# Altium PCB Robo.PcbDoc
Units mm, origin at the board's own origin, x right, y up, seen from the top; angles counter-clockwise.
Board outline 133.02 x 165.52 mm, 2 copper layers (Top Layer, Bottom Layer); 47 components, 80 nets, 284 pads, 48 vias.
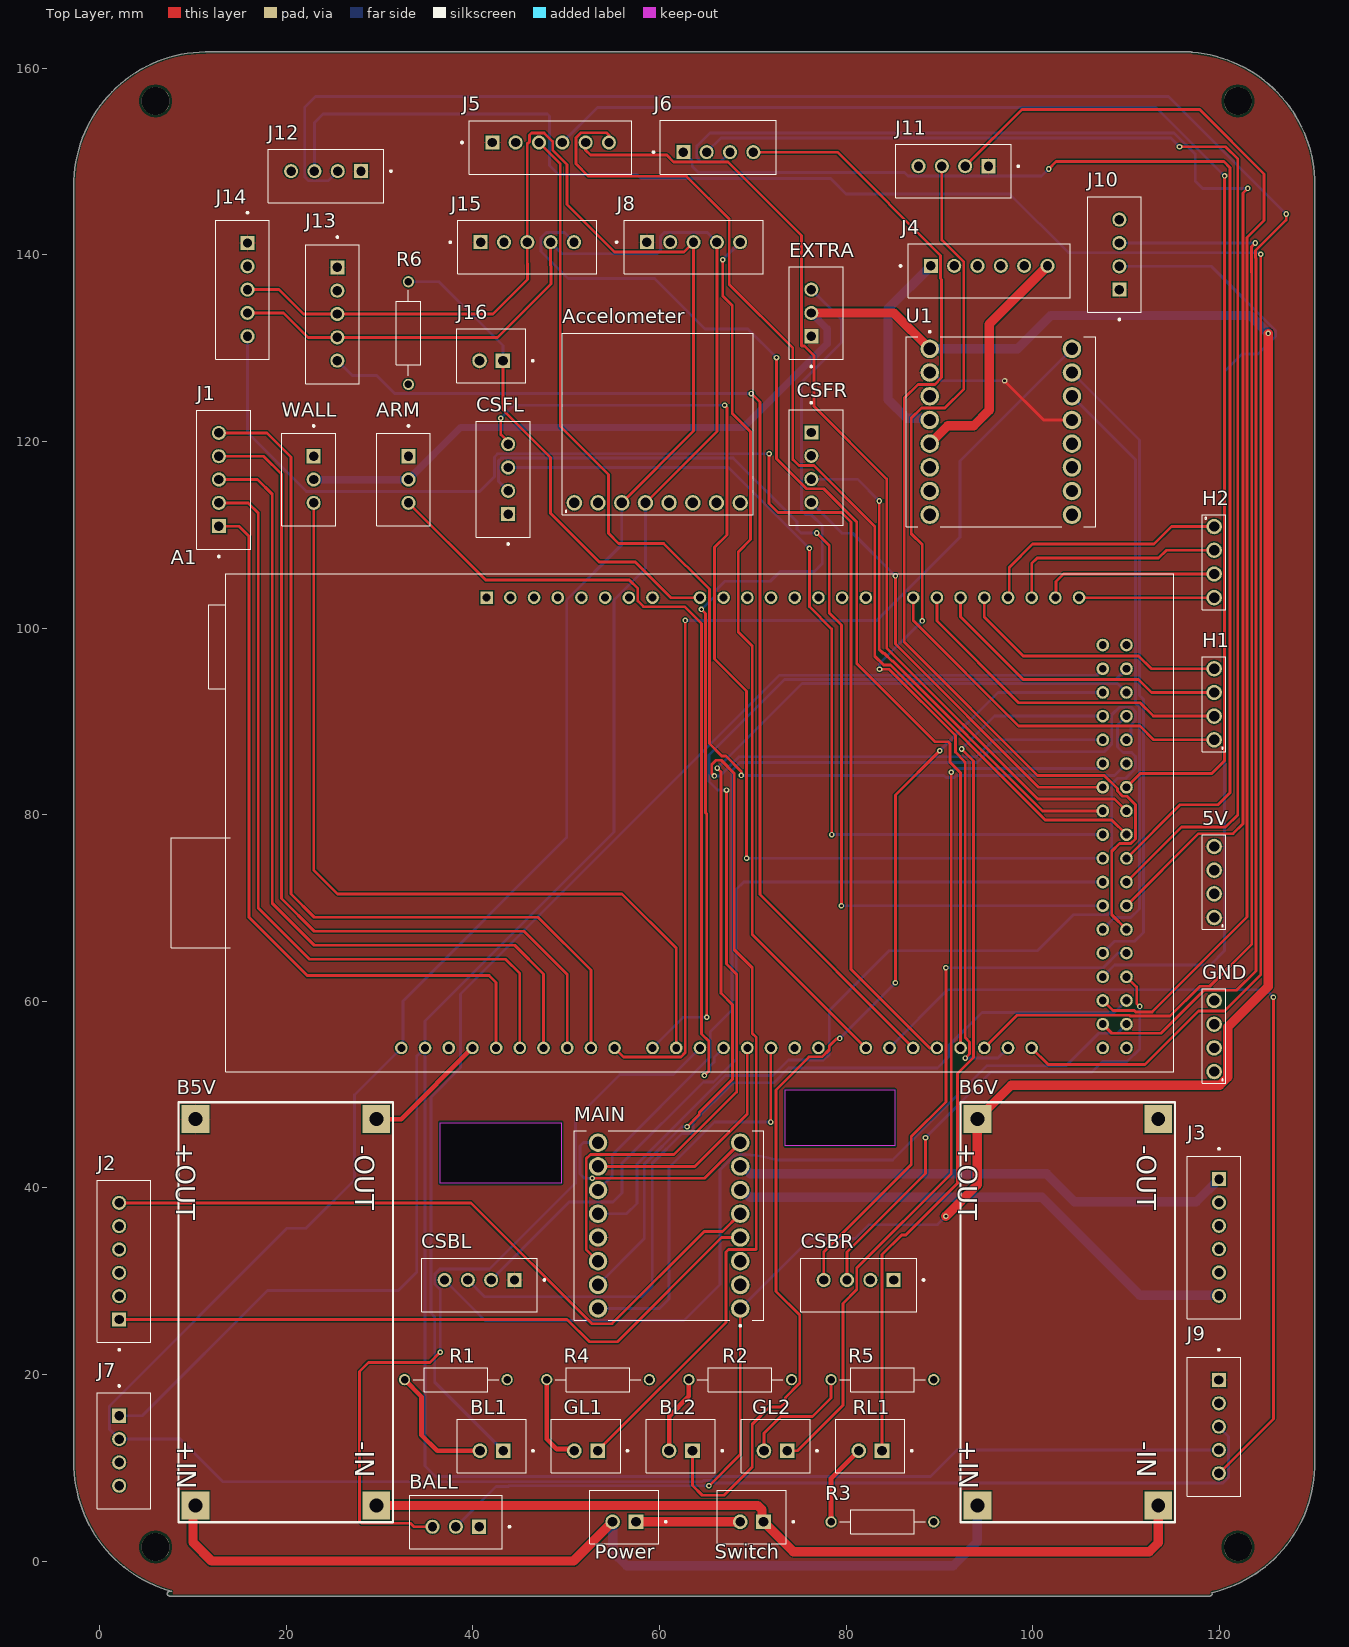
[diagram p0: Top Layer view]
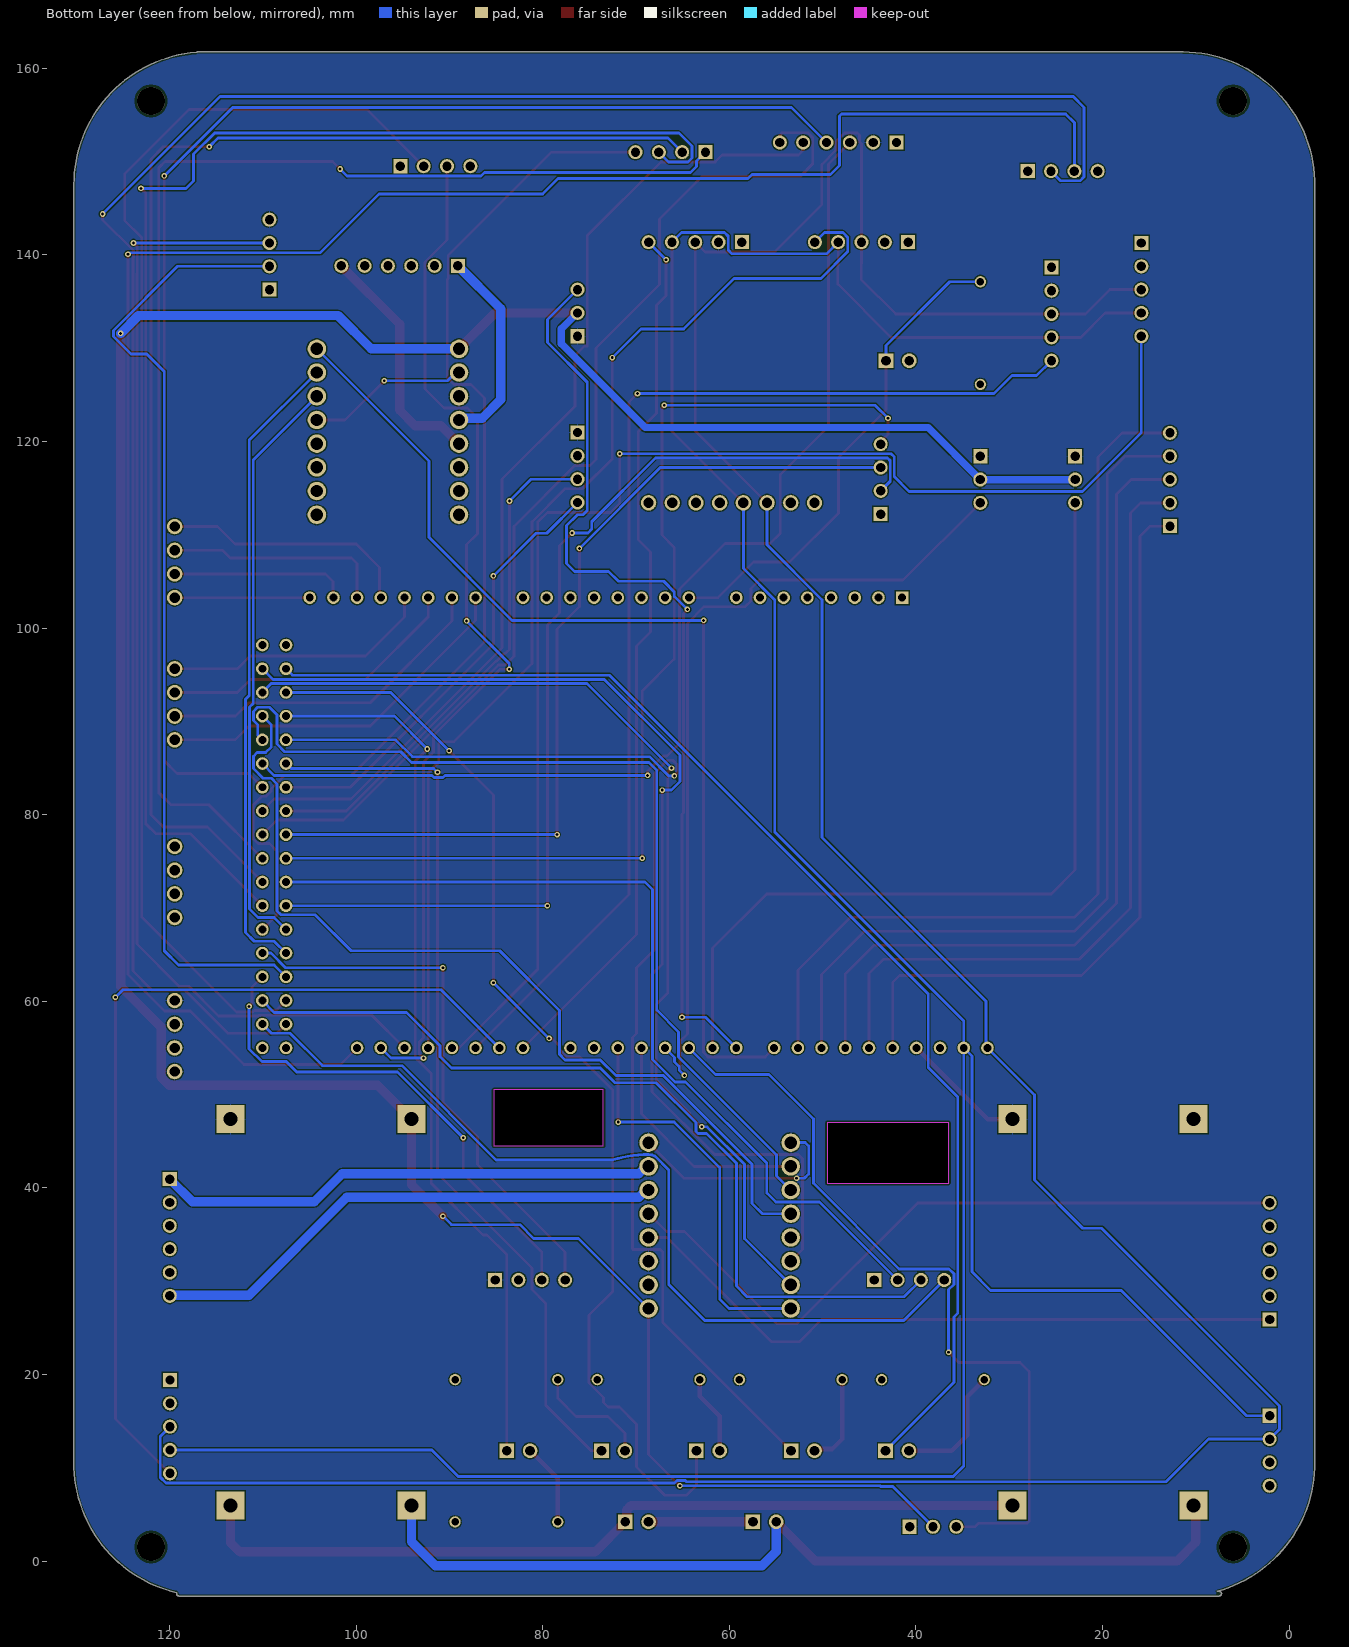
[diagram p1: Bottom Layer view, seen from below]
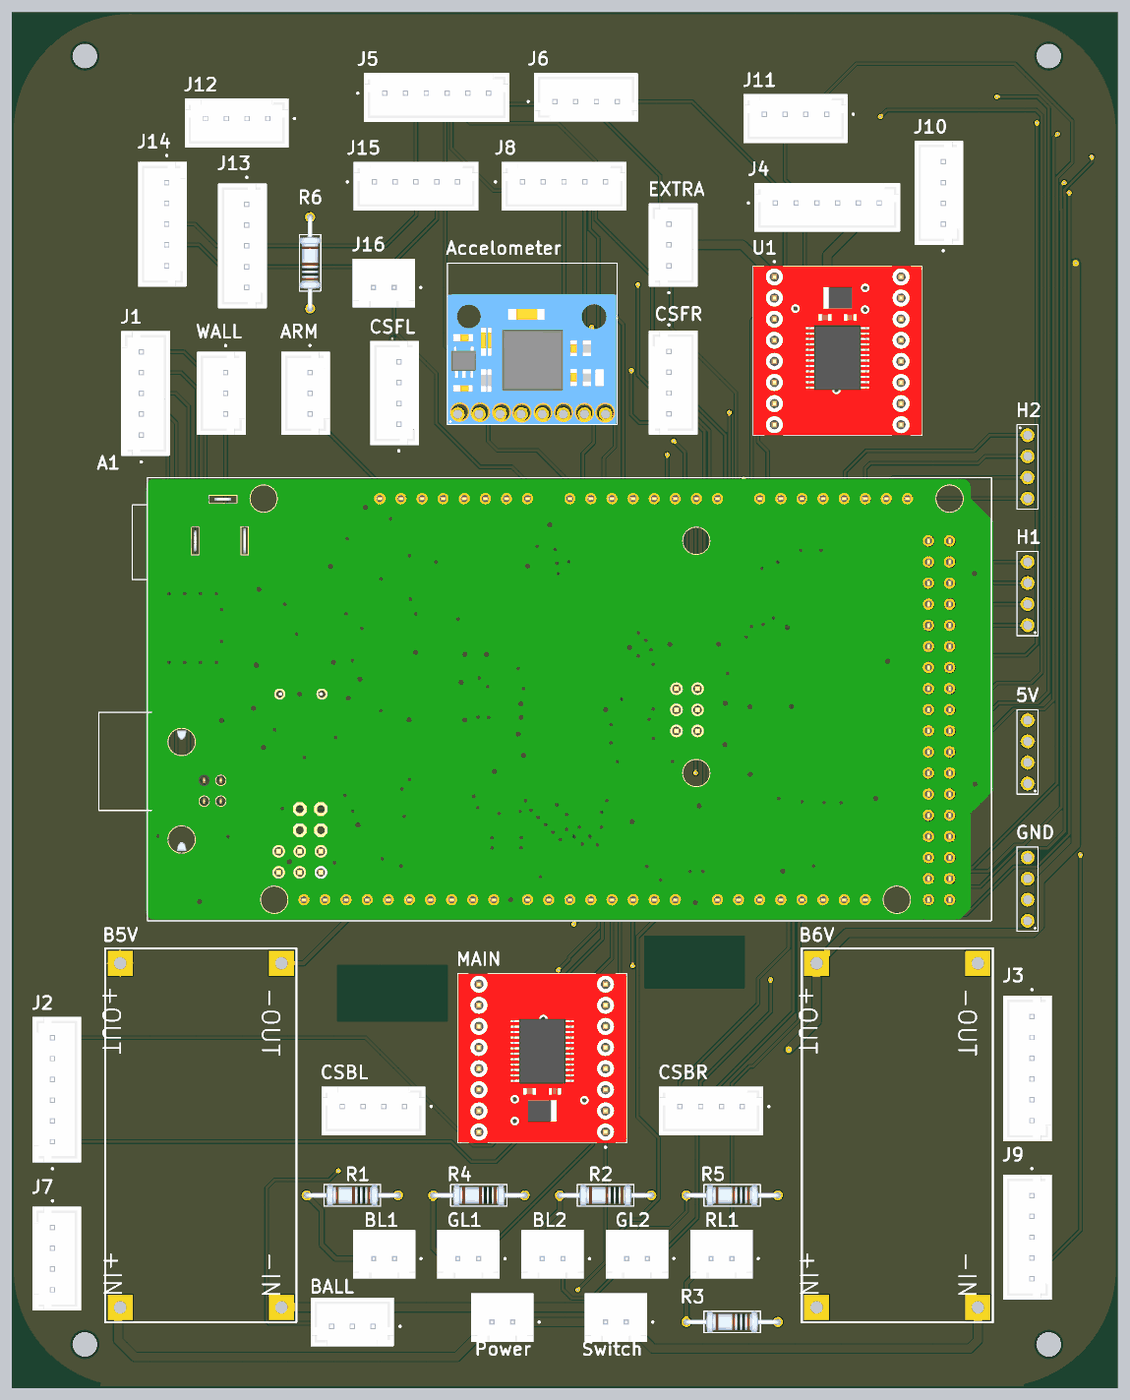
[diagram p2: 3D render of the assembled board from above, using the file's embedded part models]

## Layer stack, top to bottom
Top Solder: solder mask 0.0102, Solder Resist, Dk 3.5
Top Layer: signal copper 0.0356
Dielectric 1: dielectric 0.32, FR-4, Dk 4.8
Bottom Layer: signal copper 0.0356
Bottom Solder: solder mask 0.0102, Solder Resist, Dk 3.5

## Board outline
7.5,-3.75 cw(c7.5,-3.5) 7.5,-3.25 7.722,-3.25 cw(c11.5,10.5) -2.75,9.989 -2.75,9.993 cw(c11.499,10.5) -2.75,11.004 -2.75,148 -2.75,148.009 cw(c11.5,147.5) 12.005,161.75 117,161.75 cw(c117,161.5) 117.129,161.715 cw(c116,147.5) 130.259,147.5 cw(c116.008,147.5) 130.25,146.995 130.25,10.002 130.25,9.991 cw(c116,10.5) 119.225,-3.39 119.25,-3.5 cw(c119,-3.5) 119,-3.75 116.504,-3.75 cw(c116,10.5) 115.496,-3.75
cut-out: 73.5,50.5 85.25,50.5 85.25,44.5 73.5,44.5
cut-out: 36.5,47 49.5,47 49.5,40.5 36.5,40.5

## Design rules (kind name [scope] priority, off if disabled: settings)
BoardOutlineClearance [All] p1: gap=0.2 ignorepadtopadclearanceinfootprint=FALSE
Clearance [All] p1: gap=0.127 ignorepadtopadclearanceinfootprint=FALSE except(0.25: Arc-Hole Track-Hole SMDPad-Hole THPad-Hole Via-Hole Fill-Hole Poly-Hole Region-Hole Text-Hole)
ComponentClearance [All] p1: gap=0.127 collisioncheckmode=3 verticalgap=0.127 showdistances=TRUE
DiffPairsRouting [All] p1: maxlimit=0.254 minlimit=0.127 mostfreqgap=0.127 toplayer_minwidth=0.127 toplayer_maxwidth=25.4 toplayer_prefwidth=0.127 bottomlayer_minwidth=0.127 bottomlayer_maxwidth=25.4 bottomlayer_prefwidth=0.127 maxuncoupledlength=12.7
Height [All] p1: minheight=0 maxheight=1816.048 prefheight=12.7
HoleSize [All] p1: absolutevalues=TRUE maxlimit=6.3 minlimit=0.3 maxpercent=80.000 minpercent=20.000
HoleToHoleClearance [All] p1: gap=0.25 allowstackedmicrovias=FALSE
MinimumAnnularRing [All] p1: minimumring=0.076
MinimumSolderMaskSliver [All] p1: minsoldermaskwidth=0
PlaneClearance [All] p1: clearance=0.127
PlaneConnect PlaneConnectPowerPads [InPadClass('PowerPads')] p1: planeconnectstyle=Direct reliefexpansion=0.508 reliefentries=4 reliefconductorwidth=0.254 reliefairgap=0.254
PlaneConnect [All] p2: pad.planeconnectstyle=Relief pad.reliefexpansion=0.3 pad.reliefentries=4 pad.reliefconductorwidth=0.127 pad.reliefairgap=0.127 via.planeconnectstyle=Direct via.reliefexpansion=0.3 via.reliefentries=4 via.reliefconductorwidth=0.127 via.reliefairgap=0.127
PolygonConnect PolygonConnectPowerPads [All vs (InPadClass('PowerPads'))] p1: connectstyle=Direct reliefconductorwidth=0.254 reliefentries=4 polygonreliefangle="90 Angle" airgapwidth=0.254
PolygonConnect [All] p2: thpad.connectstyle=Relief thpad.reliefconductorwidth=0.127 thpad.reliefentries=4 thpad.polygonreliefangle="90 Angle" thpad.airgapwidth=0.127 smdpad.connectstyle=Relief smdpad.reliefconductorwidth=0.127 smdpad.reliefentries=4 smdpad.polygonreliefangle="90 Angle" smdpad.airgapwidth=0.127 via.connectstyle=Direct via.reliefconductorwidth=0.127 via.reliefentries=4 via.polygonreliefangle="90 Angle" via.airgapwidth=0.127
RoutingVias [All] p1: holewidth=0.3 width=0.6 viastyle="Through Hole" minholewidth=0.3 minwidth=0.6 maxholewidth=0.6 maxwidth=6.6
SilkToSilkClearance [All] p1: silktosilkclearance=0
SilkToSolderMaskClearance [IsPad] p1: minsilkscreentomaskgap=0.127 clearancetoexposedcopper=TRUE
SolderMaskExpansion [All] p1: expansion=0.075 istentingtop=FALSE
Width [All] p1: maxlimit=25.4 minlimit=0.127 preferedwidth=0.3 minimp=50.000000 maximp=50.000000 favimp=50.000000
20 further rules are at their usual default settings.

## Classes and differential pairs
component class Robo: 5V A1 Accelometer ARM B5V B6V BALL BL1 BL2 CSBL CSBR CSFL CSFR EXTRA GL1 GL2 GND H1 H2 J1 J2 J3 J4 J5 J6 J7 J16 MAIN Power R1 R2 R3 R4 R5 R6 RL1 Switch U1 WALL
component class Robo2: J8 J9 J10 J11 J12 J13 J14 J15

## Components (designator, comment, footprint, x,y, rotation, side; value= is the part's Value field where it differs from the comment)
5V "61300411121" "61300411121 - duplicate - duplicate" 119.46,72.78 r90 top
A1 "A000067" ARDUINO_A000067 71.2,79.13 r90 top
Accelometer "Accelometer" 8pin_header 59.77,113.42 r0 top
ARM "ARM" "JST_B3B-XH-A (LF)(SN)" 32.575,115.92 r90 top
B5V "5V_Buck_Converter" Buck_Conveter 20.4,29.6 r270 top
B6V "6V_Buck_Converter" Buck_Conveter 104.22,29.6 r270 top
BALL "BALL" "JST_B3B-XH-A (LF)(SN)" 38.18,4.2 r0 top
BL1 "B2B-XH-A(LF)(SN)" JST_B2B-XH-A(LF)(SN) 42.01,12.345 r0 top
BL2 "B2B-XH-A(LF)(SN)" JST_B2B-XH-A(LF)(SN) 62.29,12.345 r0 top
CSBL "Color_Sensor_Back_Left" JST_B4B-XH-A(LF)(SN) 40.72,29.6 r180 top
CSBR "Color_Sensor_Back_Right" JST_B4B-XH-A(LF)(SN) 81.36,29.6 r180 top
CSFL "Color_Sensor_Front_Left" JST_B4B-XH-A(LF)(SN) 43.26,115.96 r90 top
CSFR "Color_Sensor_Front_Right" JST_B4B-XH-A(LF)(SN) 76.805,117.21 r270 top
EXTRA "EXTRA" "JST_B3B-XH-A (LF)(SN)" 76.805,133.78 r270 top
GL1 "B2B-XH-A(LF)(SN)" JST_B2B-XH-A(LF)(SN) 52.13,12.345 r0 top
GL2 "B2B-XH-A(LF)(SN)" JST_B2B-XH-A(LF)(SN) 72.45,12.345 r0 top
GND "61300411121" "61300411121 - duplicate - duplicate" 119.46,56.27 r90 top
H1 "61300411121" "61300411121 - duplicate - duplicate" 119.46,91.83 r90 top
H2 "61300411121" "61300411121 - duplicate - duplicate" 119.46,107.07 r270 top
J1 "EX_DIGITAL" JST_B5B-XH-A(LF)(SN) 13.305,115.92 r270 top
J2 "B6B-XH-A(LF)(SN)" JST_B6B-XH-A(LF)(SN) 2.62,32.14 r270 top
J3 "B6B-XH-A(LF)(SN)" JST_B6B-XH-A(LF)(SN) 119.46,34.68 r90 top
J4 "B6B-XH-A(LF)(SN)" JST_B6B-XH-A(LF)(SN) 95.35,138.295 r180 top
J5 "B6B-XH-A(LF)(SN)" JST_B6B-XH-A(LF)(SN) 48.34,151.52 r180 top
J6 "B4B-XH-A(LF)(SN)" JST_B4B-XH-A(LF)(SN) 66.314,151.537 r0 top
J7 "DISPLAY" JST_B4B-XH-A(LF)(SN) 2.62,11.82 r270 top
J8 "CENTER" JST_B5B-XH-A(LF)(SN) 63.66,140.835 r180 top
J9 "RIGHT_BACK" JST_B5B-XH-A(LF)(SN) 119.443,14.4 r90 top
J10 "RIGHT_FRONT" JST_B4B-XH-A(LF)(SN) 108.775,140.03 r90 top
J11 "FRONT_RIGHT" JST_B4B-XH-A(LF)(SN) 91.52,148.98 r180 top
J12 "DOWN" JST_B4B-XH-A(LF)(SN) 24.27,148.455 r180 top
J13 "MIDDLE" JST_B5B-XH-A(LF)(SN) 24.955,133.66 r90 top
J14 "UP" JST_B5B-XH-A(LF)(SN) 15.32,136.28 r90 top
J15 "EX" JST_B5B-XH-A(LF)(SN) 45.84,140.835 r180 top
J16 "B2B-XH-A(LF)(SN)" JST_B2B-XH-A(LF)(SN) 41.97,129.185 r0 top
MAIN "MAIN_MOTOR_DRIVE" MODULE_ROB-14450 61.04,35.95 r180 top
Power "B2B-XH-A(LF)(SN)" JST_B2B-XH-A(LF)(SN) 56.234,4.725 r0 top
R1 "CFM12JT1K00" Resister 38.18,19.44 r180 top value=1kR
R2 "CFM12JT1K00" Resister 68.66,19.44 r180 top value=1kR
R3 "CFM12JT1K00" Resister 83.9,4.2 r180 top value=1kR
R4 "CFM12JT1K00" Resister 53.42,19.44 r180 top value=1kR
R5 "CFM12JT1K00" Resister 83.9,19.44 r180 top value=1kR
R6 "CFM12JT1K00" Resister 33.1,131.62 r90 top value=1kR
RL1 "B2B-XH-A(LF)(SN)" JST_B2B-XH-A(LF)(SN) 82.61,12.345 r0 top
Switch "B2B-XH-A(LF)(SN)" JST_B2B-XH-A(LF)(SN) 69.91,4.725 r0 top
U1 "ARM_MOTOR_DRIVE" MODULE_ROB-14450 96.6,121.04 r0 top
WALL "WALL" "JST_B3B-XH-A (LF)(SN)" 22.415,115.92 r90 top

## Footprints (in the part's own frame and the unit in brackets; to place one, negate y for a bottom-side part, rotate by r counter-clockwise, add the part's x,y. Pads: shape width x height; smd on the part's side, far side on the other; paste and mask are expansions set on the pad)
8pin_header [mm]
  round 1.65 hole 1.1: 1(-8.89,0) 2(-6.35,0) 3(-3.81,0) 4(-1.27,0) 5(1.27,0) 6(3.81,0) 7(6.35,0) 8(8.89,0)
  silkscreen extent -10.16,-1.27 10.29,18.16, body extent -10.1,-1.18 10.16,14.38, height 1
"61300411121 - duplicate - duplicate" [mm]
  round 1.65 hole 1.1: 1(-3.81,0) 2(-1.27,0) 3(1.27,0) 4(3.81,0)
  silkscreen extent -5.08,-1.27 5.08,1.27
ARDUINO_A000067 [mm]
  round 1.358 hole 0.85: 0(-24.13,-5.842) 1(-24.13,-3.302) 2(-24.13,-0.762) 3(-24.13,1.778) 3V3(24.13,22.098) 4(-24.13,4.318) 5(-24.13,6.858) 5V_1(24.13,19.558) 5V_2(-24.13,-38.862) 5V_3(-24.13,-36.322) 6(-24.13,9.398) 7(-24.13,11.938) 8(-24.13,16.002) 9(-24.13,18.542) 10(-24.13,21.082) 11(-24.13,23.622) 12(-24.13,26.162) 13(-24.13,28.702) 14(-24.13,-10.922) 15(-24.13,-13.462) 16(-24.13,-16.002) 17(-24.13,-18.542) 18(-24.13,-21.082) 19(-24.13,-23.622) 20(-24.13,-26.162) 21(-24.13,-28.702) 22(-21.59,-38.862) 23(-21.59,-36.322) 24(-19.05,-38.862) 25(-19.05,-36.322) 26(-16.51,-38.862) 27(-16.51,-36.322) 28(-13.97,-38.862) 29(-13.97,-36.322) 30(-11.43,-38.862) 31(-11.43,-36.322) 32(-8.89,-38.862) 33(-8.89,-36.322) 34(-6.35,-38.862) 35(-6.35,-36.322) 36(-3.81,-38.862) 37(-3.81,-36.322) 38(-1.27,-38.862) 39(-1.27,-36.322) 40(1.27,-38.862) 41(1.27,-36.322) 42(3.81,-38.862) 43(3.81,-36.322) 44(6.35,-38.862) 45(6.35,-36.322) 46(8.89,-38.862) 47(8.89,-36.322) 48(11.43,-38.862) 49(11.43,-36.322) 50(13.97,-38.862) 51(13.97,-36.322) 52(16.51,-38.862) 53(16.51,-36.322) AD0(24.13,6.858) AD1(24.13,4.318) AD2(24.13,1.778) AD3(24.13,-0.762) AD4(24.13,-3.302) AD5(24.13,-5.842) AD6(24.13,-8.382) AD7(24.13,-10.922) AD8(24.13,-16.002) AD9(24.13,-18.542) AD10(24.13,-21.082) AD11(24.13,-23.622) AD12(24.13,-26.162) AD13(24.13,-28.702) AD14(24.13,-31.242) AD15(24.13,-33.782) AREF(-24.13,33.782) GND1(24.13,17.018) GND2(24.13,14.478) GND3(-24.13,31.242) GND4(19.05,-38.862) GND5(19.05,-36.322) IOREF(24.13,27.178) RESET(24.13,24.638) SCL(-24.13,38.862) SDA(-24.13,36.322) VIN(24.13,11.938)
  rect 1.358x1.358 / inner round 1.358 / far side rect 1.358x1.358 hole 0.85: NC(24.13,29.718)
  silkscreen extent -26.67,-43.92 26.67,63.53, body extent -26.5,-44.14 26.5,63.86, height 3
Buck_Conveter [mm]
  rect 3x3 hole 1.5 paste+0.102 mask+0.102: 1(23.642,9.249) 2(23.642,-10.151) 3(-17.758,9.249) 4(-17.758,-10.151)
  silkscreen extent -19.56,-11.95 25.44,11.05
JST_B2B-XH-A(LF)(SN) [mm]
  rect 1.575x1.575 / inner round 1.575 / far side rect 1.575x1.575 hole 1.05: 1(1.25,-0.525)
  round 1.575 hole 1.05: 2(-1.25,-0.525)
  silkscreen extent -3.7,-2.88 4.54,2.87, body extent -3.7,-2.88 3.7,2.88, height 7
"JST_B3B-XH-A (LF)(SN)" [mm]
  rect 1.508x1.508 / inner round 1.508 / far side rect 1.508x1.508 hole 1: 1(2.5,-0.525)
  round 1.508 hole 1: 2(0,-0.525) 3(-2.5,-0.525)
  silkscreen extent -4.95,-2.88 5.85,2.87, body extent -4.95,-2.88 4.95,2.88, height 7
JST_B4B-XH-A(LF)(SN) [mm]
  rect 1.508x1.508 / inner round 1.508 / far side rect 1.508x1.508 hole 1: 1(-3.75,-0.525)
  round 1.508 hole 1: 2(-1.25,-0.525) 3(1.25,-0.525) 4(3.75,-0.525)
  silkscreen extent -7.05,-2.88 6.2,2.87, body extent -6.2,-2.88 6.2,2.88, height 7
JST_B5B-XH-A(LF)(SN) [mm]
  rect 1.508x1.508 / inner round 1.508 / far side rect 1.508x1.508 hole 1: 1(5,-0.525)
  round 1.508 hole 1: 2(2.5,-0.525) 3(0,-0.525) 4(-2.5,-0.525) 5(-5,-0.525)
  silkscreen extent -7.45,-2.88 8.35,2.87, body extent -7.45,-2.88 7.45,2.88, height 7
JST_B6B-XH-A(LF)(SN) [mm]
  rect 1.508x1.508 / inner round 1.508 / far side rect 1.508x1.508 hole 1: 1(6.25,-0.525)
  round 1.508 hole 1: 2(3.75,-0.525) 3(1.25,-0.525) 4(-1.25,-0.525) 5(-3.75,-0.525) 6(-6.25,-0.525)
  silkscreen extent -8.7,-2.87 9.6,2.88, body extent -8.7,-2.88 8.7,2.88, height 7
MODULE_ROB-14450 [mm]
  round 1.98 hole 1.32: 1(-7.62,8.89) 2(-7.62,6.35) 3(-7.62,3.81) 4(-7.62,1.27) 5(-7.62,-1.27) 6(-7.62,-3.81) 7(-7.62,-6.35) 8(-7.62,-8.89) 9(7.62,-8.89) 10(7.62,-6.35) 11(7.62,-3.81) 12(7.62,-1.27) 13(7.62,1.27) 14(7.62,3.81) 15(7.62,6.35) 16(7.62,8.89)
  silkscreen extent -10.16,-10.16 10.16,10.83, body extent -10.16,-10.16 10.16,10.16, height 5.5
Resister [mm]
  round 1.2 hole 0.8: 1(-5.5,0) 2(5.5,0)
  silkscreen extent -4.58,-1.3 4.58,1.3, body extent -5.77,-1.3 5.77,1.3, height 2.6
